# Altium PCB SuperCapV0.PcbDoc
Units mm, origin at the board's own origin, x right, y up, seen from the top; angles counter-clockwise.
Board outline 90 x 75 mm, 2 copper layers (Top Layer, Bottom Layer); 68 components, 27 nets, 160 pads, 3368 vias.
Unrouted connection lines stored in the file: 2.
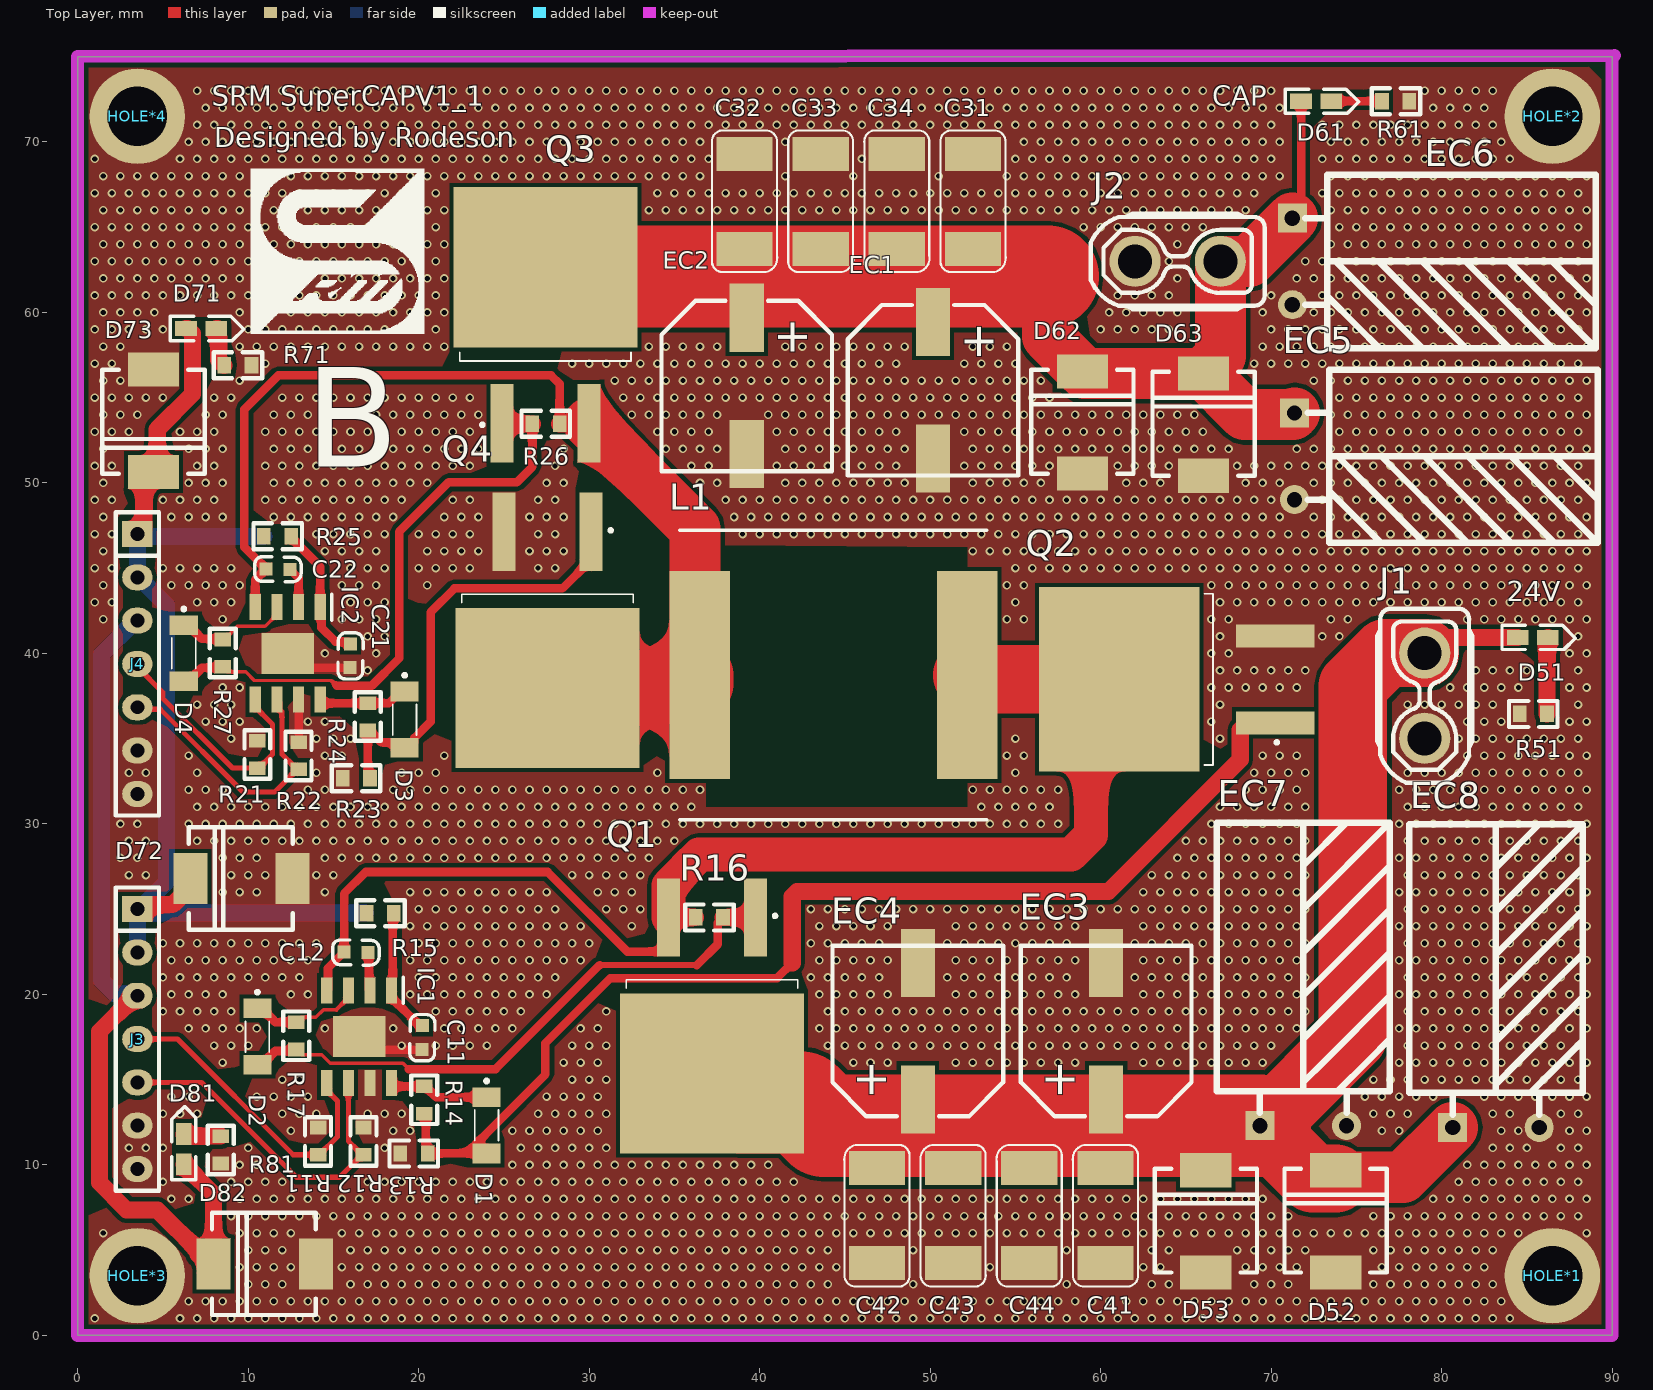
[diagram p0: Top Layer view]
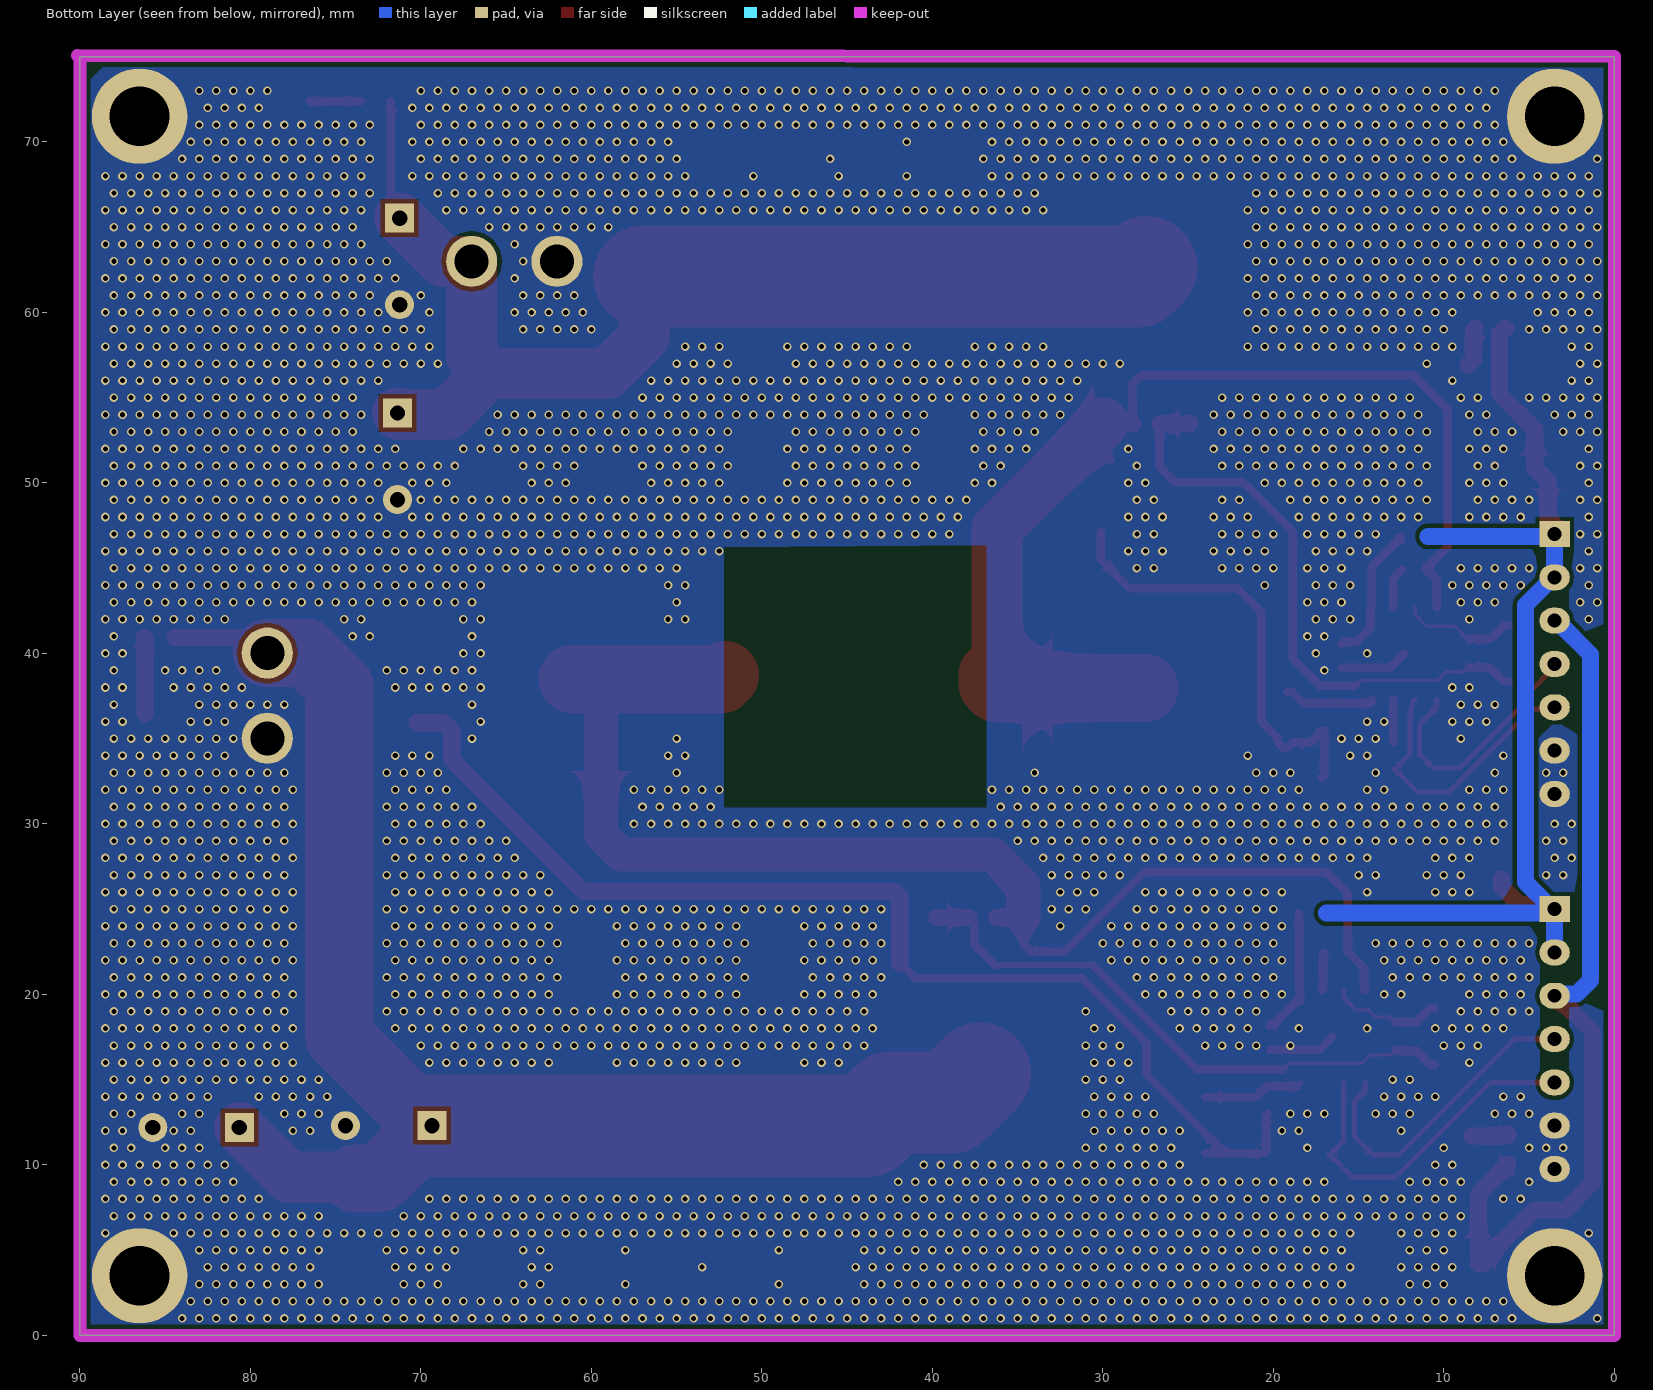
[diagram p1: Bottom Layer view, seen from below]
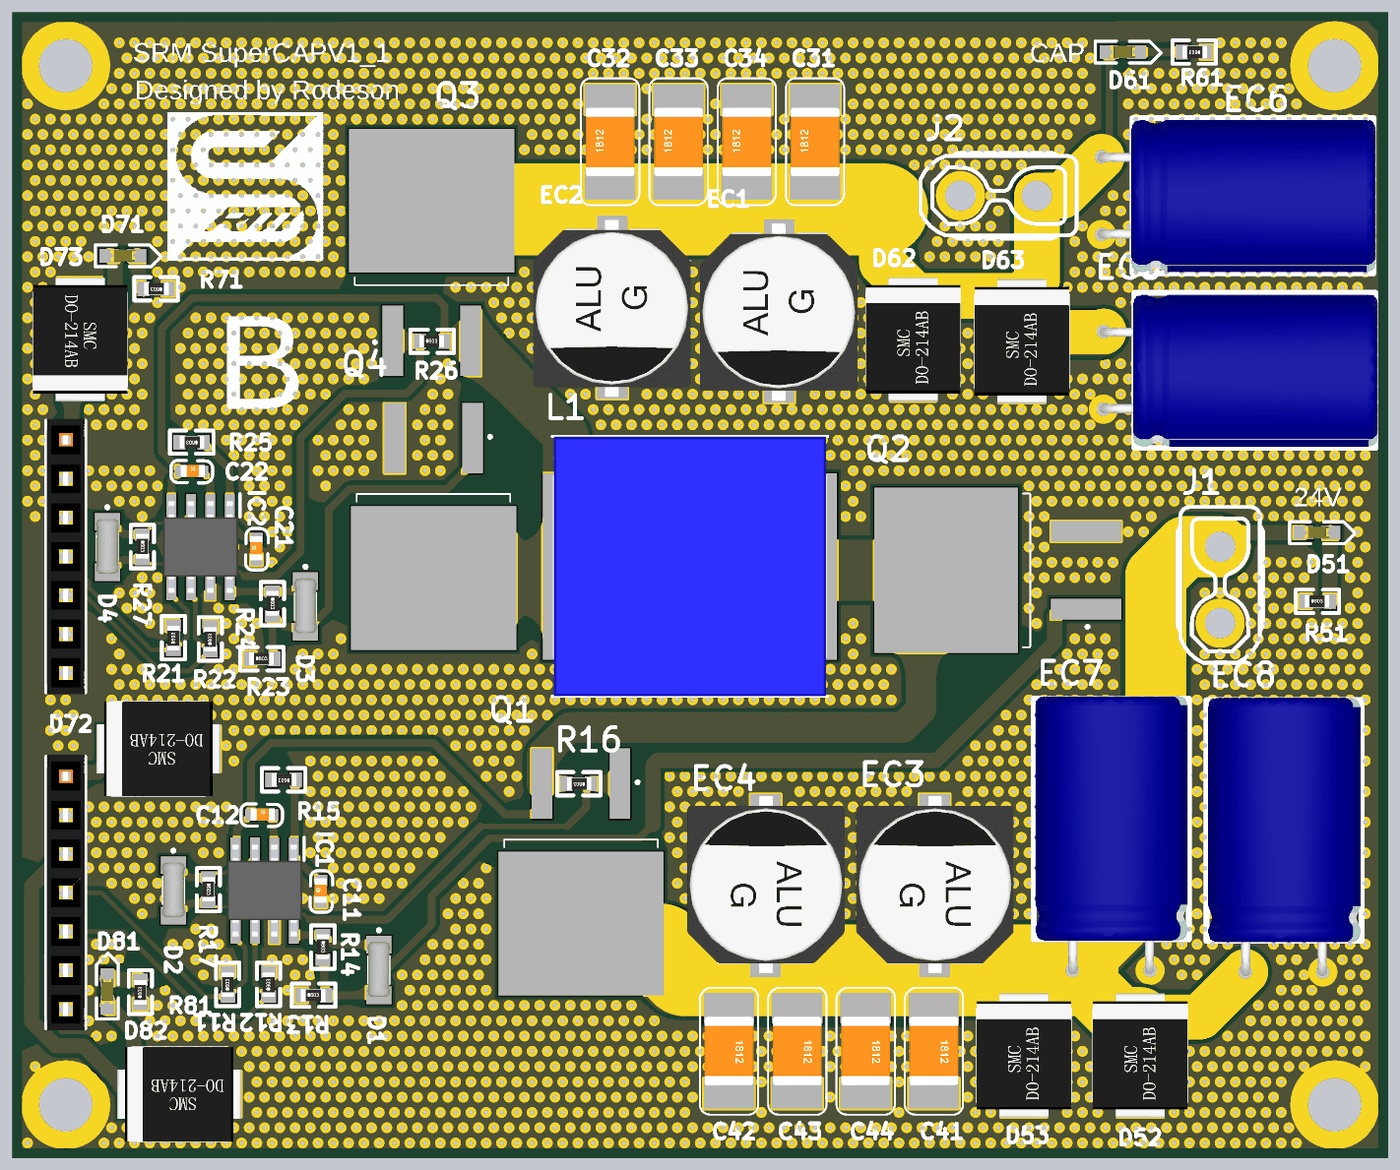
[diagram p2: 3D render of the assembled board from above, using the file's embedded part models]

## Layer stack, top to bottom
Top Solder: solder mask 0.0102, Solder Resist, Dk 3.5
Top Layer: signal copper 0.0356
Dielectric 1: dielectric 0.32, FR-4, Dk 4.8
Bottom Layer: signal copper 0.0356
Bottom Solder: solder mask 0.0102, Solder Resist, Dk 3.5

## Board outline
0,0 0,75 90,75 90,0

## Design rules (kind name [scope] priority, off if disabled: settings)
Clearance [All] p1: gap=0.254 ignorepadtopadclearanceinfootprint=FALSE except(0: Arc-Hole Track-Hole SMDPad-Hole THPad-Hole Via-Hole Fill-Hole Poly-Hole Region-Hole Text-Hole)
ComponentClearance [All] p1: gap=0 collisioncheckmode=3 verticalgap=0 showdistances=TRUE
PolygonConnect PolygonConnect_20 [All vs IsNamedPolygon('GND_L02_P048')] p1: connectstyle=Direct reliefconductorwidth=0.254 reliefentries=4 polygonreliefangle="90 Angle" airgapwidth=0.254
PolygonConnect PolygonConnect_19 [All vs IsNamedPolygon('Top Layer-GND')] p2: connectstyle=Direct reliefconductorwidth=0.254 reliefentries=4 polygonreliefangle="90 Angle" airgapwidth=0.254
PolygonConnect PolygonConnect_18 [All vs IsNamedPolygon('Top Layer-GND')] p3: connectstyle=Direct reliefconductorwidth=0.254 reliefentries=4 polygonreliefangle="90 Angle" airgapwidth=0.254
PolygonConnect PolygonConnect_17 [All vs IsNamedPolygon('Bottom Layer-GND 1')] p4: connectstyle=Direct reliefconductorwidth=0.254 reliefentries=4 polygonreliefangle="90 Angle" airgapwidth=0.254
PolygonConnect PolygonConnect_16 [All vs IsNamedPolygon('Bottom Layer-GND 2')] p5: connectstyle=Direct reliefconductorwidth=0.254 reliefentries=4 polygonreliefangle="90 Angle" airgapwidth=0.254
PolygonConnect PolygonConnect_15 [All vs IsNamedPolygon('Top Layer-GND')] p6: connectstyle=Direct reliefconductorwidth=0.254 reliefentries=4 polygonreliefangle="90 Angle" airgapwidth=0.254
PolygonConnect PolygonConnect_14 [All vs IsNamedPolygon('GND_L02_P036')] p7: connectstyle=Direct reliefconductorwidth=0.254 reliefentries=4 polygonreliefangle="90 Angle" airgapwidth=0.254
PolygonConnect PolygonConnect_13 [All vs IsNamedPolygon('Top Layer-GND')] p8: connectstyle=Direct reliefconductorwidth=0.254 reliefentries=4 polygonreliefangle="90 Angle" airgapwidth=0.254
PolygonConnect PolygonConnect_12 [All vs IsNamedPolygon('Top Layer-GND')] p9: connectstyle=Direct reliefconductorwidth=0.254 reliefentries=4 polygonreliefangle="90 Angle" airgapwidth=0.254
PolygonConnect PolygonConnect_11 [All vs IsNamedPolygon('Top Layer-No Net')] p10: connectstyle=Direct reliefconductorwidth=0.254 reliefentries=4 polygonreliefangle="90 Angle" airgapwidth=0.254
PolygonConnect PolygonConnect_10 [All vs IsNamedPolygon('GND_L02_P024')] p11: connectstyle=Direct reliefconductorwidth=0.254 reliefentries=4 polygonreliefangle="90 Angle" airgapwidth=0.254
PolygonConnect PolygonConnect_9 [All vs IsNamedPolygon('Top Layer-GND')] p12: connectstyle=Direct reliefconductorwidth=0.254 reliefentries=4 polygonreliefangle="90 Angle" airgapwidth=0.254
PolygonConnect PolygonConnect_8 [All vs IsNamedPolygon('Top Layer-GND')] p13: connectstyle=Direct reliefconductorwidth=0.254 reliefentries=4 polygonreliefangle="90 Angle" airgapwidth=0.254
PolygonConnect PolygonConnect_7 [All vs IsNamedPolygon('GND_L02_P024')] p14: connectstyle=Direct reliefconductorwidth=0.254 reliefentries=4 polygonreliefangle="90 Angle" airgapwidth=0.254
PolygonConnect PolygonConnect_6 [All vs IsNamedPolygon('GND_L02_P024')] p15: connectstyle=Direct reliefconductorwidth=0.254 reliefentries=4 polygonreliefangle="90 Angle" airgapwidth=0.254
PolygonConnect PolygonConnect_5 [All vs IsNamedPolygon('Top Layer-GND')] p16: connectstyle=Direct reliefconductorwidth=0.254 reliefentries=4 polygonreliefangle="90 Angle" airgapwidth=0.254
PolygonConnect PolygonConnect_4 [All vs IsNamedPolygon('Top Layer-GND')] p17: connectstyle=Direct reliefconductorwidth=0.254 reliefentries=4 polygonreliefangle="90 Angle" airgapwidth=0.254
PolygonConnect PolygonConnect_3 [All vs IsNamedPolygon('Bottom Layer-12V')] p18: connectstyle=Direct reliefconductorwidth=0.254 reliefentries=4 polygonreliefangle="90 Angle" airgapwidth=0.254
PolygonConnect PolygonConnect_2 [All vs IsNamedPolygon('Top Layer-GND')] p19: connectstyle=Direct reliefconductorwidth=0.254 reliefentries=4 polygonreliefangle="90 Angle" airgapwidth=0.254
PolygonConnect PolygonConnect_1 [All vs IsNamedPolygon('Top Layer-GND')] p20: connectstyle=Direct reliefconductorwidth=0.254 reliefentries=4 polygonreliefangle="90 Angle" airgapwidth=0.254
PolygonConnect [All] p21: connectstyle=Relief reliefconductorwidth=0.254 reliefentries=4 polygonreliefangle="90 Angle" airgapwidth=0.254
RoutingVias [All] p1: holewidth=0.711 width=1.27 viastyle="Through Hole" minholewidth=0.3 minwidth=0.5 maxholewidth=5 maxwidth=4
SolderMaskExpansion [All] p1: expansion=0.102
Width [All] p1: maxlimit=10 minlimit=0.127 preferedwidth=0.3
29 further rules are at their usual default settings.

## Components (designator, comment, footprint, x,y, rotation, side; value= is the part's Value field where it differs from the comment)
C11 "0.1uF" 0603C 20.184,16.759 r90 top
C12 "1uF" 0603C 15.616,22.488 r0 top
C21 "0.1uF" 0603C 15.968,39.156 r90 top
C22 "1uF" 0603C 11.044,44.967 r0 top
C31 "47uF" 1812C 52.512,63.717 r0 top
C32 "47uF" 1812C 39.111,63.717 r0 top
C33 "47uF" 1812C 43.578,63.717 r0 top
C34 "47uF" 1812C 48.045,63.717 r0 top
C41 "47uF" 1812C 60.282,9.816 r180 top
C42 "47uF" 1812C 46.881,9.816 r180 top
C43 "47uF" 1812C 51.348,9.816 r180 top
C44 "47uF" 1812C 55.815,9.816 r180 top
D1 "LL4148" FDLL4448 23.983,12.319 r270 top
D2 "LL4148" FDLL4448 10.541,17.526 r270 top
D3 "LL4148" FDLL4448 19.177,36.113 r270 top
D4 "LL4148" FDLL4448 6.223,40.005 r270 top
D51 "LED" LED-0603G 84.455,40.932 r0 top
D52 "SMBJ28A" SMC/DO-214AB 73.787,3.683 r90 top
D53 "SMBJ28A" SMC/DO-214AB 66.167,3.683 r90 top
D61 "LED" LED-0603G 71.755,72.383 r0 top
D62 "SMBJ28A" SMC/DO-214AB 58.928,50.546 r90 top
D63 "SMBJ28A" SMC/DO-214AB 66.04,50.419 r90 top
D71 "LED" LED-0603G 6.35,59.055 r0 top
D72 "SMBJ28A" SMC/DO-214AB 12.604,26.797 r180 top
D73 "SMBJ28A" SMC/DO-214AB 4.445,56.642 r270 top
D81 "LED" LED-0603G 6.23,10.033 r90 top
D82 "SMBJ28A" SMC/DO-214AB 13.97,4.191 r180 top
EC1 "47uF" SMD-EC10X10X10 50.165,51.435 r90 top
EC2 "47uF" SMD-EC10X10X10 39.243,51.689 r90 top
EC3 "47uF" SMD-EC10X10X10 60.325,21.843 r270 top
EC4 "47uF" SMD-EC10X10X10 49.276,21.843 r270 top
EC5 "470uF" DIP-EC5.0X10X16-A 71.374,54.102 r0 top
EC6 "470uF" DIP-EC5.0X10X16-A 71.247,65.532 r0 top
EC7 "470uF" DIP-EC5.0X10X16-A 69.342,12.3 r90 top
EC8 "470uF" DIP-EC5.0X10X16-A 80.645,12.192 r90 top
HOLE*1 "Hole" M3#1 76.962,39.878 r90 top
HOLE*2 "Hole" M3#2 83.058,58.293 r90 top
HOLE*3 "Hole" M3#3 14.351,15.875 r90 top
HOLE*4 "Hole" M3#4 25.654,61.595 r90 top
IC1 "UCC27211DDAR" SOIC127P600X170-9N 16.51,17.526 r270 top
IC2 "UCC27211DDAR" SOIC127P600X170-9N 12.319,40.005 r270 top
J1 "XT30UPB-F" XT30UPB-F 79,35 r270 top
J2 "XT30UPB-F" XT30UPB-F 62,63 r180 top
J3 "Female HDR1X7" Fe-HDR1X7/2.54-S 3.5,25 r0 top
J4 "Female HDR1X7" Fe-HDR1X7/2.54-S 3.5,47 r0 top
L1 "22uH" INDPM180170X700N 44.323,38.735 r0 top
Q1 "IRF3205ZSTRLPBF" IDB30E60 37.201,18.196 r90 top
Q2 "IRF3205ZSTRLPBF" IDB30E60 63.922,38.481 r0 top
Q3 "IRF3205ZSTRLPBF" IDB30E60 27.432,59.817 r270 top
Q4 "IRF3205ZSTRLPBF" IDB30E60 27.559,40.808 r90 top
R11 "10K" 0603R 14.097,10.592 r90 top
R12 "10K" 0603R 16.764,10.592 r90 top
R13 "10K" 0603R 18.923,10.668 r0 top
R14 "5.1" 0603R 20.32,14.605 r270 top
R15 "0" 0603R 18.542,24.765 r180 top
R16 "10K" 0603R 37.846,24.511 r180 top
R17 "5.1" 0603R 12.827,18.364 r270 top
R21 "10K" 0603R 10.541,33.274 r90 top
R22 "10K" 0603R 12.954,33.198 r90 top
R23 "10K" 0603R 15.545,32.684 r0 top
R24 "5.1" 0603R 17.018,37.078 r270 top
R25 "0" 0603R 12.522,46.863 r180 top
R26 "10K" 0603R 26.67,53.467 r0 top
R27 "5.1" 0603R 8.509,40.812 r270 top
R51 "100K" 0603R 84.582,36.449 r0 top
R61 "100K" 0603R 78.105,72.39 r180 top
R71 "50K" 0603R 10.191,56.896 r180 top
R81 "10K" 0603R 8.382,10.084 r90 top

## Footprints (in the part's own frame and the unit in brackets; to place one, negate y for a bottom-side part, rotate by r counter-clockwise, add the part's x,y. Pads: shape width x height; smd on the part's side, far side on the other; paste and mask are expansions set on the pad)
0603C [mil]
  rect 30x30 smd: 1(0.21,-0.35) 2(55.21,-1.35)
  silkscreen extent -26,-30 81,28, body extent -1,-15 62,17, height 12
0603R [mm]
  rect 0.8x0.965 smd: 1(0,0) 2(1.6,0)
  silkscreen extent -0.64,-0.76 2.21,0.76, body extent -0.04,-0.41 1.56,0.41, height 0.45
1812C [mm]
  rect 3.302x2 smd: 1(0,0) 2(0,5.572)
  silkscreen extent -1.91,-1.35 1.92,6.96, body extent -1.6,0.54 1.6,5.04, height 1.6
DIP-EC5.0X10X16-A [mm]
  rect 1.7x1.7 hole 0.9: 1(0,0)
  round 1.7 hole 0.9: 2(0,-5.08)
  silkscreen extent 0.76,-7.62 17.78,2.54, body extent -0.25,-7.54 17.96,2.46, height 10.03
FDLL4448 [mm]
  rect 1.15x1.65 smd: 1(-1.65,0) 2(1.65,0)
  silkscreen extent -2.7,-0.7 0.9,0.7, body extent -1.84,-0.75 1.76,0.75, height 1.5
Fe-HDR1X7/2.54-S [mil]
  rect 70x60 hole 32: 1(0,0)
  oval 70x60 hole 32: 2(0,-100) 3(0,-200) 4(0,-300) 5(0,-400) 6(0,-500) 7(0,-600)
  silkscreen extent -50,-650 50,50, body extent -49,-655 49,55, height 126
IDB30E60 [mm]
  rect 4.6x1.35 smd: 1(6.315,-2.55) 3(6.315,2.55)
  rect 9.4x10.8 smd: 2(-2.835,0)
  silkscreen extent 2.16,-5.02 6.5,5.02
INDPM180170X700N [mm]
  rect 3.55x12.2 smd: 1(-7.85,0) 2(7.85,0)
  silkscreen extent -9,-8.5 9,8.5, body extent -9,-8.5 9,8.5, height 7
LED-0603G [mil]
  rect 50x35 smd: A(0,0.26) K(70,0.26)
  silkscreen extent -36,-28 134,28, body extent 4,-15 66,17, height 24
M3#1 [mm]
  round 5.6 hole 3.5: 1(-36.378,-9.538)
M3#2 [mm]
  round 5.6 hole 3.5: 1(13.207,-3.442)
M3#3 [mm]
  round 5.6 hole 3.5: 1(-12.375,10.851)
M3#4 [mm]
  round 5.6 hole 3.5: 1(9.905,22.154)
SMC/DO-214AB [mm] "塑封二极管"
  rect 2x3 smd: A(0,0) K(6,0)
  silkscreen extent 0,-3 6.1,3, body extent -1.01,-3.1 7.11,3.1, height 2.7
SMD-EC10X10X10 [mm]
  rect 4x2 smd: 1(8,0) 2(0,0)
  silkscreen extent -1,-5 9,5, body extent -1.86,-5.12 9.74,5.18, height 10.2
SOIC127P600X170-9N [mm]
  rect 1.525x0.65 smd: 1(-2.712,1.905) 2(-2.712,0.635) 3(-2.712,-0.635) 4(-2.712,-1.905) 5(2.712,-1.905) 6(2.712,-0.635) 7(2.712,0.635) 8(2.712,1.905)
  rect 2.4x3.1 smd: 9(0,0)
  silkscreen extent -3.47,2.58 -1.95,2.58, body extent -3,-2.45 3,2.45, height 1.7
XT30UPB-F [mm]
  round 3 hole 2: 1(-5.02,0.006) 2(-0.02,0.006)
  silkscreen extent -7.62,-2.79 2.58,2.81

## Part data
C11 C12 C21 C22 C31 C32 C33 C34 C41 C42 C43 C44: library part CAP, "无极性电容"
D1 D2 D3 D4: "Diode", Manufacturer_Name="ON Semiconductor", Mouser Part Number=512-LL4148, Arrow Part Number=LL4148, Arrow Price/Stock=https://www.arrow.com/en/products/ll4148/on-semiconductor?region=asia, Datasheet Link=https://www.onsemi.com/pub/Collateral/LL4148-D.pdf, Height=1mm, Manufacturer_Part_Number=LL4148, Mouser Price/Stock=https://www.mouser.co.uk/ProductDetail/ON-Semiconductor-Fairchild/LL4148?qs=z%2Fr5wmDnQfY5jXgsdLPkRg%3D%3D
D52 D53 D62 D63 D72 D73 D82: library part "DIODE ZENER", "稳压二极管"
EC1 EC2 EC3 EC4: library part SMD_ECAP, "贴片电解电容"
EC5 EC6 EC7 EC8: library part DIP_ECAP, "直插电解电容"
IC1 IC2: "Integrated Circuit", Manufacturer_Name="Texas Instruments", Mouser Part Number=595-UCC27211DDAR, Arrow Part Number=UCC27211DDAR, Arrow Price/Stock=https://www.arrow.com/en/products/ucc27211ddar/texas-instruments, Datasheet Link=http://www.ti.com/lit/gpn/UCC27211, Height=1.7mm, Manufacturer_Part_Number=UCC27211DDAR, Mouser Price/Stock=https://www.mouser.co.uk/ProductDetail/Texas-Instruments/UCC27211DDAR?qs=o1A9MY8yOkUTp5ljYZfoNg%3D%3D
L1: library part BCIHP1770-100M, "Inductor", Manufacturer_Name="BC(Bao Cheng Elec)", Datasheet Link=https://datasheet.lcsc.com/szlcsc/Bao-Cheng-Elec-BC-BCIHP1770-100M_C237980.pdf, Height=7mm, Manufacturer_Part_Number=BCIHP1770-100M
Q1 Q2 Q3 Q4: "MOSFET (N-Channel)", Manufacturer_Name=Infineon, Mouser Part Number=942-IRF3205ZSTRLPBF, Arrow Part Number=IRF3205ZSTRLPBF, Arrow Price/Stock=https://www.arrow.com/en/products/irf3205zstrlpbf/infineon-technologies-ag?region=nac, Datasheet Link=https://www.infineon.com/dgdl/irf3205zpbf.pdf?fileId=5546d462533600a4015355df030c190f, Manufacturer_Part_Number=IRF3205ZSTRLPBF, Mouser Price/Stock=https://www.mouser.co.uk/ProductDetail/Infineon-IR/IRF3205ZSTRLPBF?qs=2r01AXMCG3MP3VtI3Ve68w%3D%3D
R11 R12 R13 R14 R15 R16 R17 R21 R22 R23 R24 R25 R26 R27 R51 R61 R71 R81: library part RES

## Via types
v1: diameter 0.5, hole 0.3, Top Layer to Bottom Layer, 3368 vias
